# Altium PCB 20211127_mach duoi NCKH.PcbDoc
Units mm, origin at the board's own origin, x right, y up, seen from the top; angles counter-clockwise.
Board outline 92.25 x 125.35 mm, 2 copper layers (Top Layer, Bottom Layer); 113 components, 76 nets, 361 pads, 44 vias.
Unrouted connection lines stored in the file: 1.
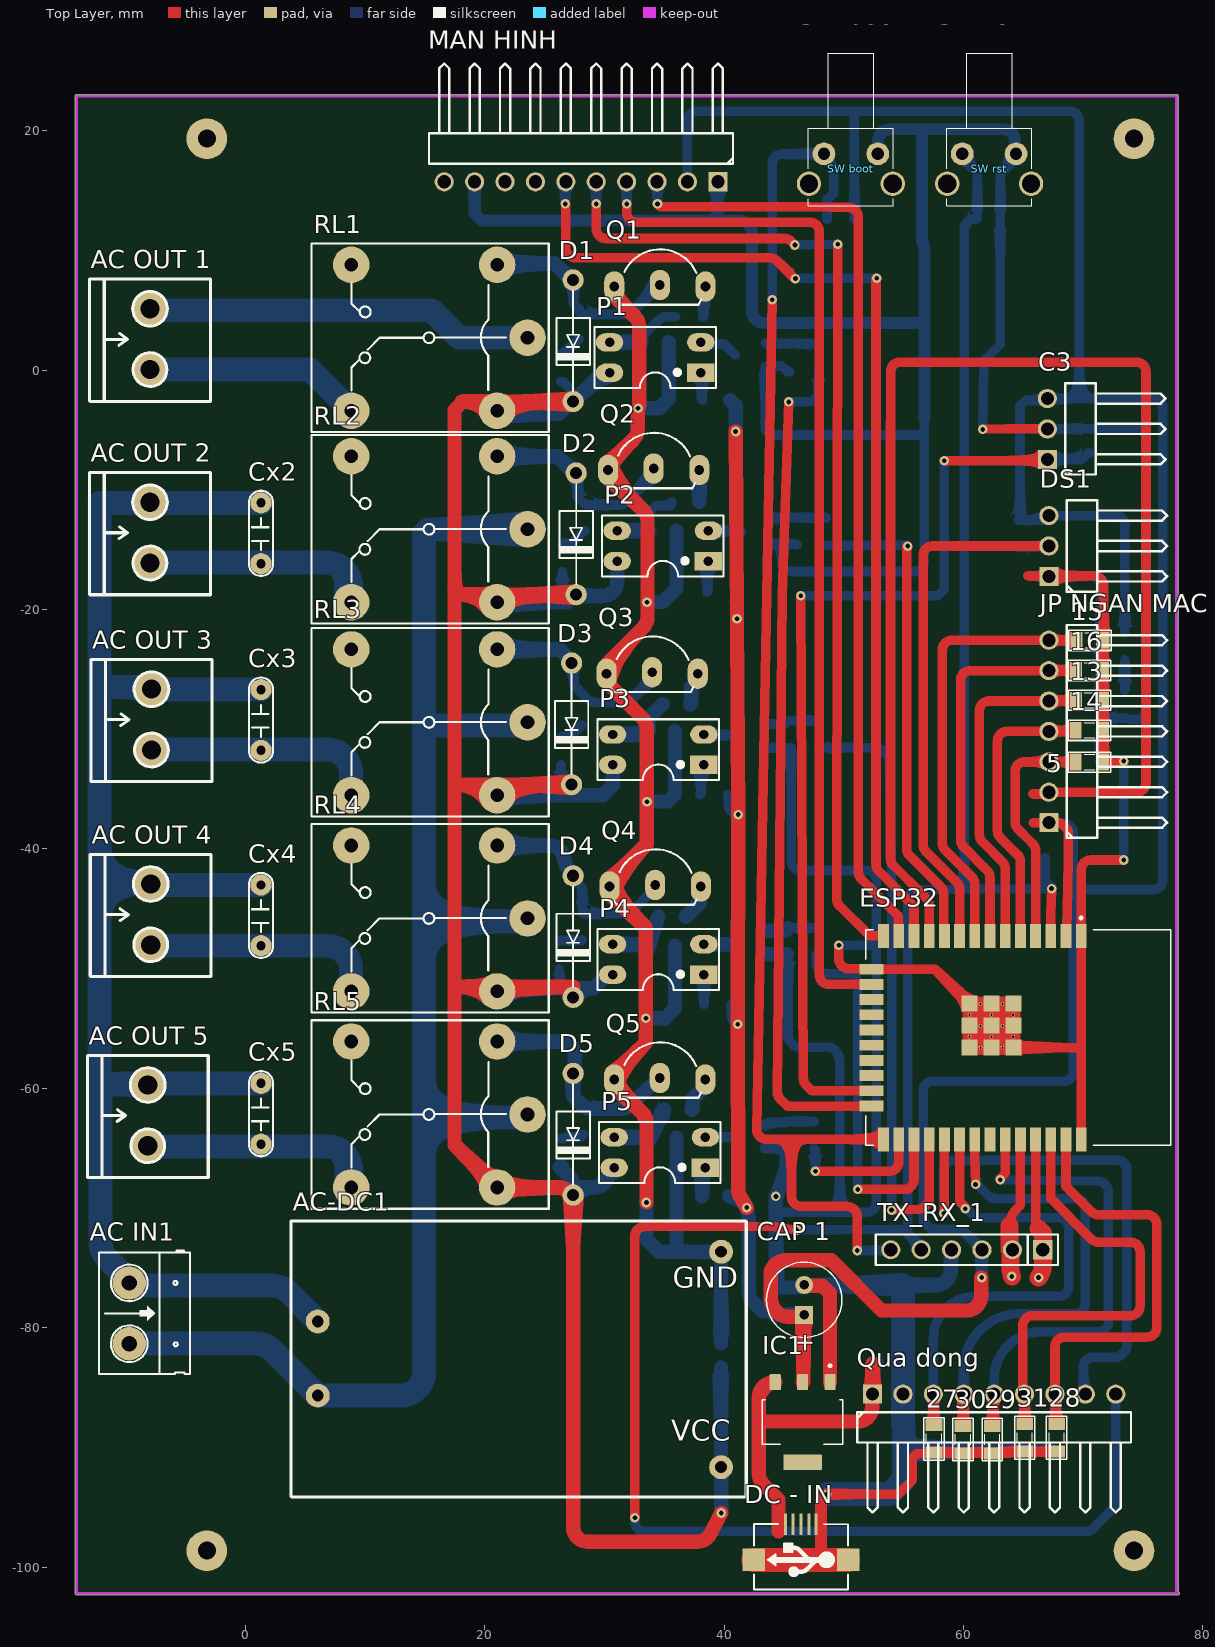
[diagram p0: Top Layer view]
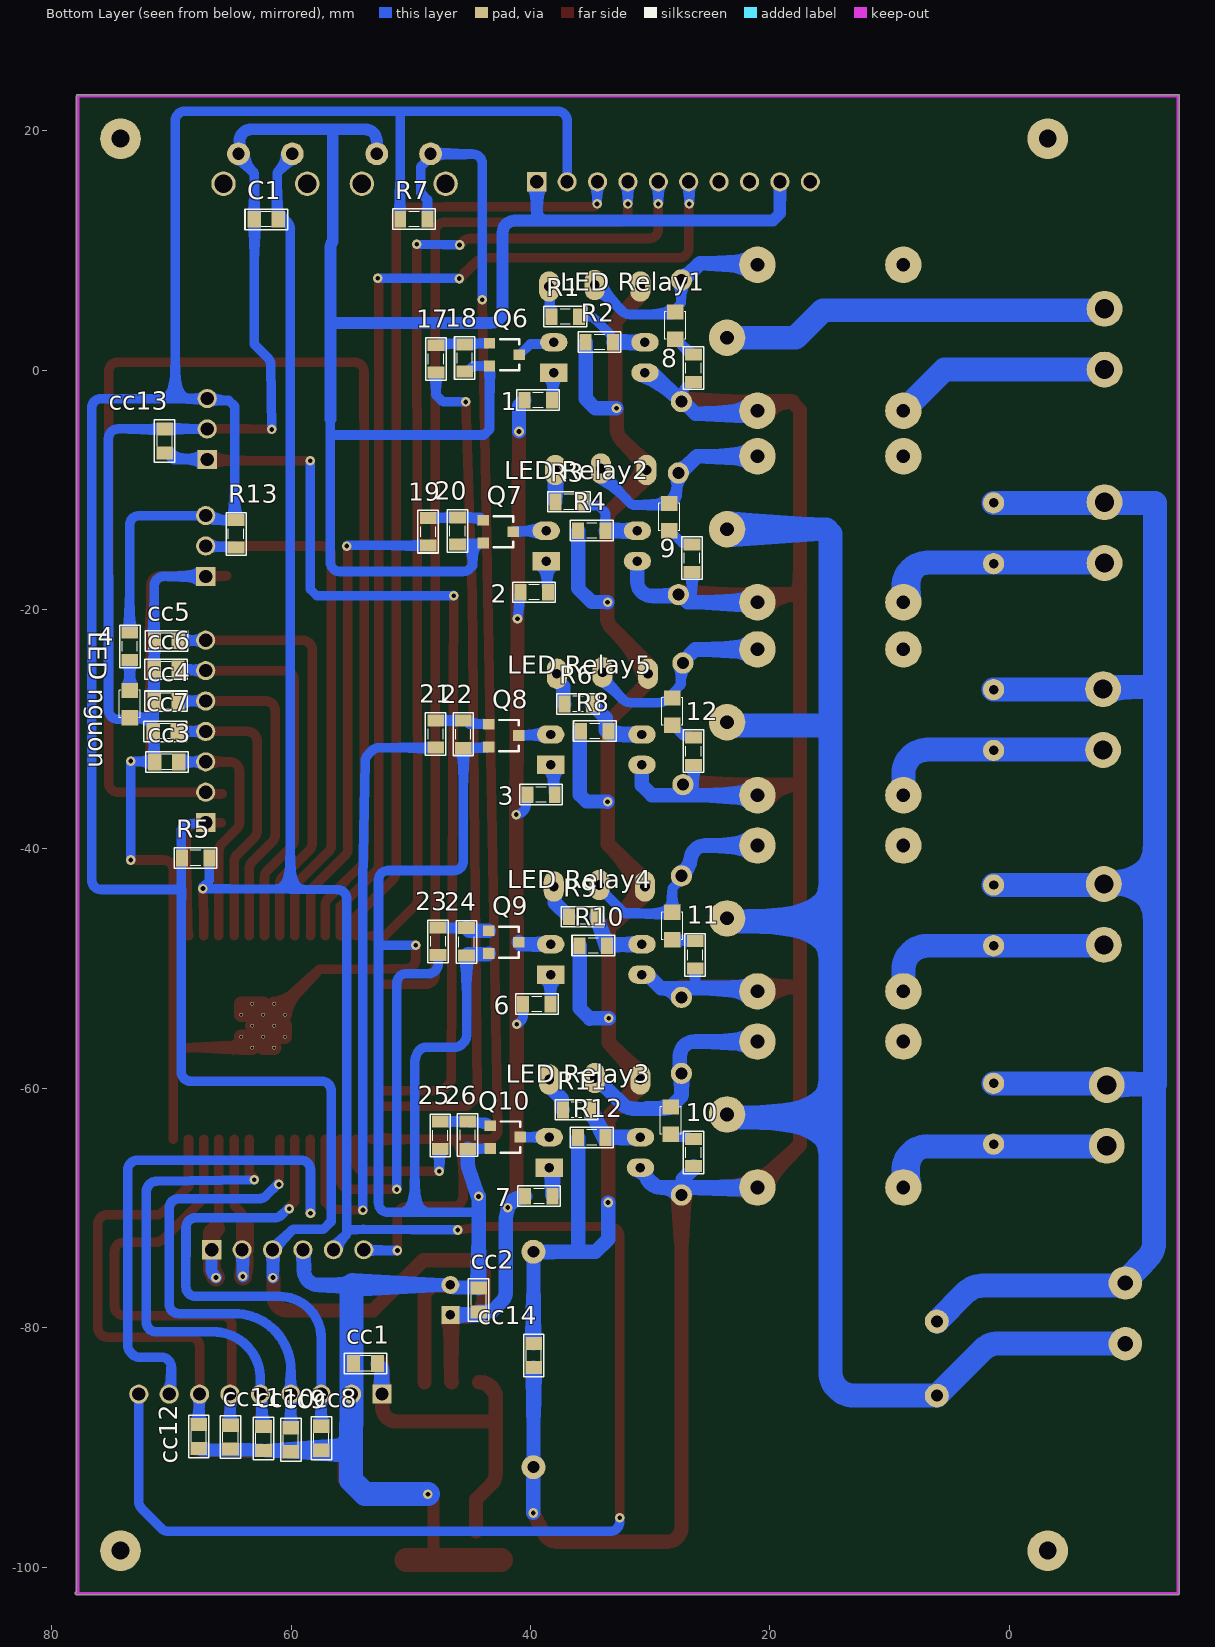
[diagram p1: Bottom Layer view, seen from below]
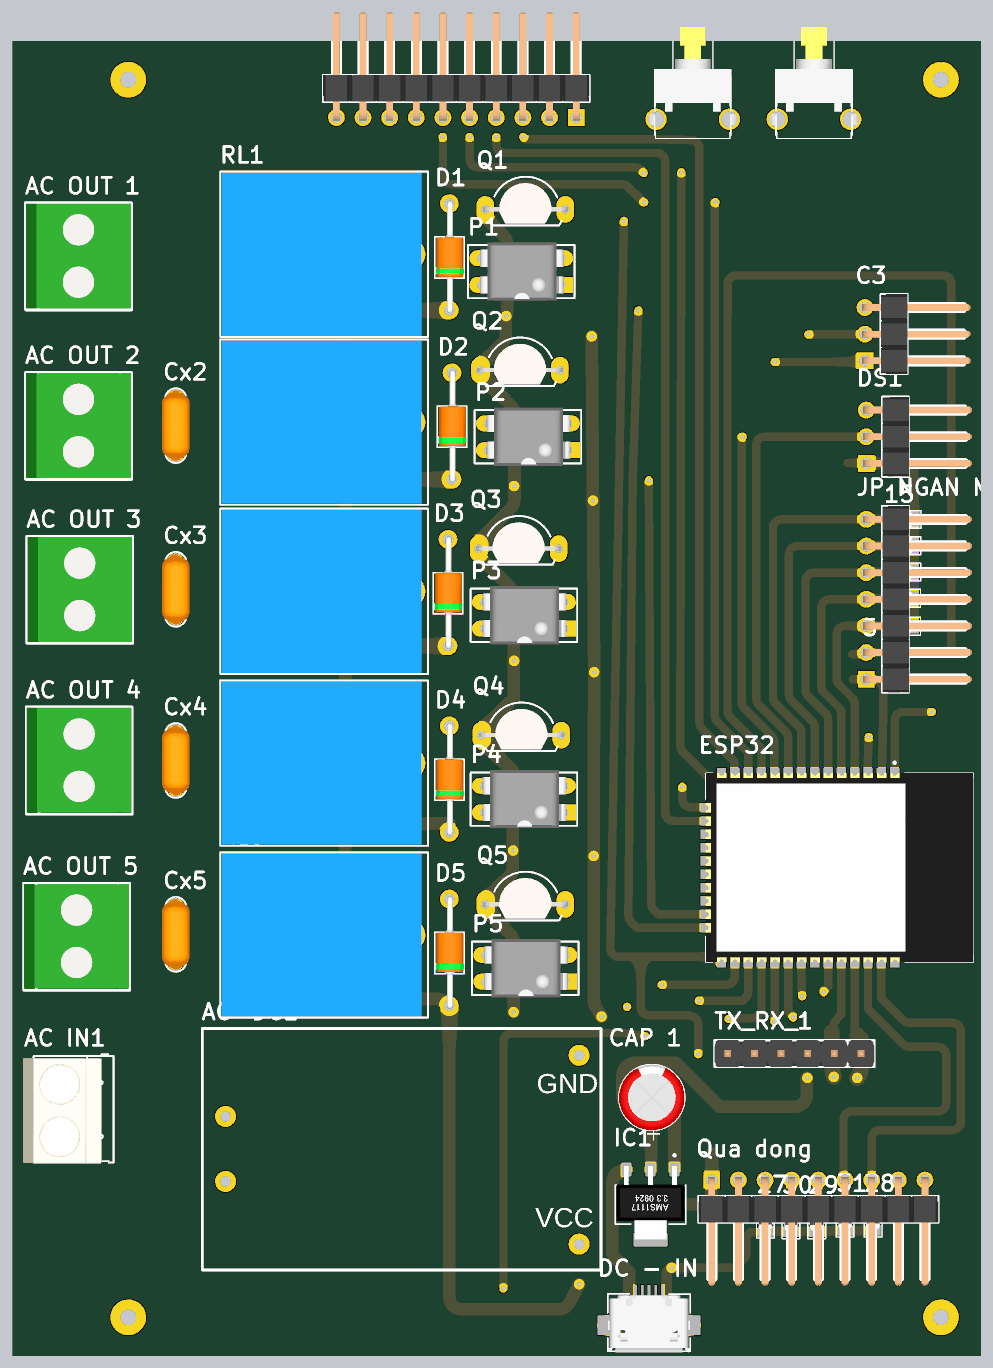
[diagram p2: 3D render of the assembled board from above, using the file's embedded part models]
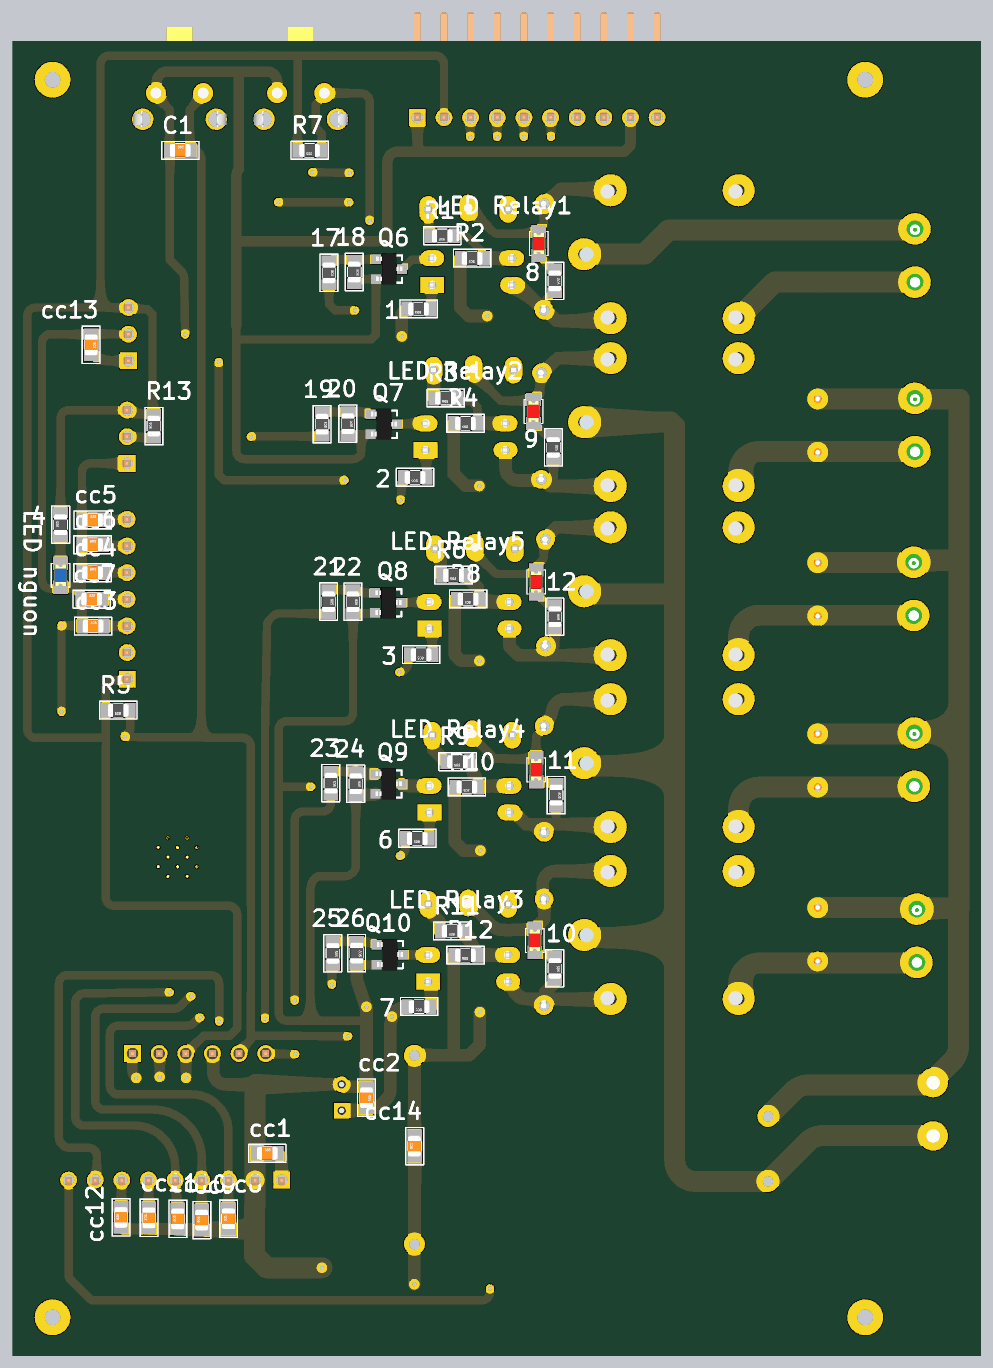
[diagram p3: 3D render of the assembled board from below, using the file's embedded part models]

## Layer stack, top to bottom
Top Solder: solder mask 0.0102, Solder Resist, Dk 3.5
Top Layer: signal copper 0.0356
Dielectric 1: dielectric 0.32, FR-4, Dk 4.8
Bottom Layer: signal copper 0.0356
Bottom Solder: solder mask 0.0102, Solder Resist, Dk 3.5

## Board outline
-14.224,-102.19 ccw(c-14.097,-102.19) -14.097,-102.318 77.903,-102.318 ccw(c77.903,-102.19) 78.03,-102.19 ccw(c77.903,-102.19) 77.924,-102.065 77.924,22.905 ccw(c77.797,22.905) 77.797,23.032 -14.097,23.032 ccw(c-14.097,22.905) -14.224,22.905

## Design rules (kind name [scope] priority, off if disabled: settings)
Clearance [All] p1: gap=0.5 ignorepadtopadclearanceinfootprint=FALSE
PolygonConnect [All] p1: connectstyle=Relief reliefconductorwidth=0.254 reliefentries=4 polygonreliefangle="90 Angle" airgapwidth=0.254
RoutingVias [All] p1: holewidth=0.4 width=0.8 viastyle="Through Hole" minholewidth=0.2 minwidth=0.4 maxholewidth=0.4 maxwidth=0.8
SolderMaskExpansion [All] p1: expansion=0.102 istentingtop=FALSE
Width [All] p1: maxlimit=2 minlimit=0.6 preferedwidth=0.8
30 further rules are at their usual default settings.

## Components (designator, comment, footprint, x,y, rotation, side; value= is the part's Value field where it differs from the comment)
1 "1k" RES-SMD-0805 39.35,-2.512 r0 bottom
2 "1k" RES-SMD-0805 39.687,-18.561 r0 bottom
3 "1k" RES-SMD-0805 39.107,-35.47 r0 bottom
4 "1K" RES-SMD-0805 73.479,-23.069 r90 bottom
5 "10k" RES-SMD-0805 70.517,-32.743 r0 top
6 "1k" RES-SMD-0805 39.463,-52.977 r0 bottom
7 "1k" RES-SMD-0805 39.292,-69.014 r0 bottom
8 "1K" RES-SMD-0805 26.362,0.172 r270 bottom
9 "1K" RES-SMD-0805 26.489,-15.703 r270 bottom
10 "1K" RES-SMD-0805 26.362,-65.36 r270 bottom
11 "1K" RES-SMD-0805 26.235,-48.85 r270 bottom
12 "1K" RES-SMD-0805 26.362,-31.832 r270 bottom
13 "10k" RES-SMD-0805 70.525,-27.568 r0 top
14 "10k" RES-SMD-0805 70.517,-30.075 r0 top
15 "10k" RES-SMD-0805 70.561,-22.555 r0 top
16 "10k" RES-SMD-0805 70.525,-25.062 r0 top
17 "560R" RES-SMD-0805 47.885,0.942 r270 bottom
18 "10k" RES-SMD-0805 45.476,1.019 r270 bottom
19 "560R" RES-SMD-0805 48.54,-13.495 r270 bottom
20 "10k" RES-SMD-0805 46.083,-13.439 r270 bottom
21 "560R" RES-SMD-0805 47.915,-30.398 r270 bottom
22 "10k" RES-SMD-0805 45.6,-30.415 r270 bottom
23 "560R" RES-SMD-0805 47.709,-47.717 r270 bottom
24 "10k" RES-SMD-0805 45.332,-47.763 r270 bottom
25 "560R" RES-SMD-0805 47.521,-63.93 r270 bottom
26 "10k" RES-SMD-0805 45.24,-63.914 r270 bottom
27 "10k" RES-SMD-0805 57.529,-89.291 r270 top
28 "10k" RES-SMD-0805 67.79,-89.197 r270 top
29 "10k" RES-SMD-0805 62.408,-89.354 r270 top
30 "10k" RES-SMD-0805 59.953,-89.354 r270 top
31 "10k" RES-SMD-0805 65.124,-89.196 r270 top
"AC IN1" "POWER" HED2 -9.71,-76.26 r270 top value="Header 2"
"AC OUT 1" "Header2" "con 2 p xanh la" -7.976,5.132 r270 top
"AC OUT 2" "Header2" "con 2 p xanh la" -7.976,-11.03 r270 top
"AC OUT 3" "Header2" "con 2 p xanh la" -7.855,-26.649 r270 top
"AC OUT 4" "Header2" "con 2 p xanh la" -7.916,-42.932 r270 top
"AC OUT 5" "Header2" "con 2 p xanh la" -8.157,-59.72 r270 top
AC-DC1 "Hi_Link 5V" "HI LINK 3.3V5W, 5V5W" 3.821,-94.105 r0 top
C1 "105" CN-SMD-0805 62.065,12.618 r180 bottom value=100pF
C3 "hong ngoai" JP3-D1C 69.542,-1.098 r90 top
"CAP 1" "470uF" CA-ALU-6.3R 46.682,-77.679 r90 top value=104
cc1 "104" CN-SMD-0805 53.773,-82.988 r180 bottom value=33pF
cc2 "104" CN-SMD-0805 44.314,-77.693 r270 bottom value=33pF
cc3 "104" CN-SMD-0805 70.378,-32.73 r180 bottom value=33pF
cc4 "104" CN-SMD-0805 70.431,-27.641 r180 bottom value=33pF
cc5 "104" CN-SMD-0805 70.414,-22.61 r180 bottom value=33pF
cc6 "104" CN-SMD-0805 70.431,-24.974 r180 bottom value=33pF
cc7 "104" CN-SMD-0805 70.509,-30.164 r180 bottom value=33pF
cc8 "104" CN-SMD-0805 57.477,-89.236 r90 bottom value=33pF
cc9 "104" CN-SMD-0805 60.017,-89.363 r90 bottom value=33pF
cc10 "104" CN-SMD-0805 62.303,-89.252 r90 bottom value=33pF
cc11 "104" CN-SMD-0805 65.06,-89.148 r90 bottom value=33pF
cc12 "104" CN-SMD-0805 67.718,-89.098 r90 bottom value=33pF
cc13 "104" CN-SMD-0805 70.557,-5.92 r270 bottom value=33pF
cc14 "104" CN-SMD-0805 39.729,-82.322 r90 bottom value=33pF
Cx2 "XXpF" CN2-O 1.172,-13.626 r90 top value=33pF
Cx3 "XXpF" CN2-O 1.172,-29.231 r90 top value=33pF
Cx4 "XXpF" CN2-O 1.172,-45.551 r90 top value=33pF
Cx5 "XXpF" CN2-O 1.172,-62.122 r90 top value=33pF
D1 "Diode" DIO-1A 27.378,7.538 r270 top value=1N5007
D2 "Diode" DIO-1A 27.632,-8.591 r270 top value=1N5007
D3 "Diode" DIO-1A 27.251,-24.466 r270 top value=1N5007
D4 "Diode" DIO-1A 27.378,-42.246 r270 top value=1N5007
D5 "Diode" DIO-1A 27.378,-58.756 r270 top value=1N5007
"DC - IN" "USB-5" USB-M1 46.417,-96.425 r180 top
DS1 "DS18b20" JP3-D1C 69.669,-10.877 r90 top
ESP32 "ESP32" ESP32 56.063,-85.983 r270 top
IC1 "AMS1117" Ams1117 46.682,-87.585 r270 top
"JP NGAN MACH" "JP7" JP7-D1C 69.669,-21.291 r90 top locked
"LED nguon" "LED" LED-0805-Blue 73.479,-26.752 r270 bottom value="LED 3 - 5 ly 2 Colour"
"LED Relay1" "LED" LED-0805-Red 27.886,2.585 r90 bottom value="LED 3 - 5 ly 2 Colour"
"LED Relay2" "LED" LED-0805-Red 28.394,-13.417 r90 bottom value="LED 3 - 5 ly 2 Colour"
"LED Relay3" "LED" LED-0805-Red 28.267,-63.836 r90 bottom value="LED 3 - 5 ly 2 Colour"
"LED Relay4" "LED" LED-0805-Red 28.14,-47.58 r90 bottom value="LED 3 - 5 ly 2 Colour"
"LED Relay5" "LED" LED-0805-Red 28.14,-29.673 r90 bottom value="LED 3 - 5 ly 2 Colour"
"MAN HINH" "JP10" JP10-D1C 15.339,18.282 r180 top
P1 "PC817" DIP4 38.046,-0.209 r90 top
P2 "PC817" DIP4 38.681,-15.957 r90 top
P3 "PC817" DIP4 38.3,-32.975 r90 top
P4 "PC817" DIP4 38.3,-50.501 r90 top
P5 "PC817" DIP4 38.427,-66.63 r90 top
Q1 "C1815" "TO92-123 - 3" 34.625,7.117 r0 top
Q2 "C1815" "TO92-123 - 3" 34.109,-8.21 r0 top
Q3 "C1815" "TO92-123 - 3" 33.982,-25.228 r0 top
Q4 "C1815" "TO92-123 - 3" 34.236,-43.008 r0 top
Q5 "C1815" "TO92-123 - 3" 34.617,-59.137 r0 top
Q6 "Si2302DS" SOT23-132 42.165,1.296 r270 bottom
Q7 "Si2302DS" SOT23-132 42.674,-13.496 r270 bottom
Q8 "Si2302DS" SOT23-132 42.233,-30.522 r270 bottom
Q9 "Si2302DS" SOT23-132 42.221,-47.787 r270 bottom
Q10 "Si2302DS" SOT23-132 42.097,-64.073 r270 bottom
"Qua dong" "JP9" JP9-D1C 73.987,-88.093 r0 top
R1 "560R" RES-SMD-0805 37.087,4.466 r0 bottom
R2 "10k" RES-SMD-0805 34.236,2.331 r0 bottom
R3 "560R" RES-SMD-0805 36.776,-11.004 r0 bottom
R4 "10k" RES-SMD-0805 34.871,-13.417 r0 bottom
R5 "10K" RES-SMD-0805 67.971,-40.758 r0 bottom
R6 "560R" RES-SMD-0805 36.014,-27.895 r0 bottom
R7 "10K" RES-SMD-0805 49.73,12.618 r0 bottom
R8 "10k" RES-SMD-0805 34.618,-30.167 r0 bottom
R9 "560R" RES-SMD-0805 35.633,-45.675 r0 bottom
R10 "10k" RES-SMD-0805 34.744,-48.088 r0 bottom
R11 "560R" RES-SMD-0805 36.141,-61.804 r0 bottom
R12 "10k" RES-SMD-0805 34.871,-64.116 r0 bottom
R13 "4K7" RES-SMD-0805 64.589,-13.671 r90 bottom
RL1 "Relay 10A/5V" "RELAY 5" 15.313,2.712 r180 top value="Relay SPDT, 10A, 12V"
RL2 "Relay 10A/5V" "RELAY 5" 15.313,-13.29 r180 top value="Relay SPDT, 10A, 12V"
RL3 "Relay 10A/5V" "RELAY 5" 15.313,-29.419 r180 top value="Relay SPDT, 10A, 12V"
RL4 "Relay 10A/5V" "RELAY 5" 15.313,-45.802 r180 top value="Relay SPDT, 10A, 12V"
RL5 "Relay 10A/5V" "RELAY 5" 15.313,-62.185 r180 top value="Relay SPDT, 10A, 12V"
"SW boot" "SW" SW1-DIP 52.833,18.079 r180 top value="SW chip 2 pin"
"SW rst" "SW" SW1-DIP 64.39,18.079 r180 top value="SW chip 2 pin"
TX_RX_1 "JP6" JP6-D1T 66.621,-73.488 r180 top

## Footprints (in the part's own frame and the unit in brackets; to place one, negate y for a bottom-side part, rotate by r counter-clockwise, add the part's x,y. Pads: shape width x height; smd on the part's side, far side on the other; paste and mask are expansions set on the pad)
Ams1117 [mm]
  rrect15% 1.31x0.93 smd: 1(-3.04,2.163) 2(-3.04,-0.127) 3(-3.04,-2.417)
  rrect15% 1.31x3.24 smd: 4(3.65,-0.127)
  silkscreen extent -4.5,-3.49 2.16,3.23, body extent -3.37,-3.38 3.63,3.13, height 1.82
CA-ALU-6.3R [mm] "Polarized capacitors, Aluminum Electrolytic Capacitors, 2-Leads, Body 6.3x15x2.5x0.5"
  rect 1.5x1.5 hole 0.8: 1(-1.25,0)
  round 1.5 hole 0.8: 2(1.25,0)
  silkscreen extent -3.15,-3.15 3.15,3.15, body extent -3.12,-3.13 3.14,3.15, height 15.26
CN2-O [mil]
  round 70 hole 31: 1(-100,-5) 2(100,-5)
  silkscreen extent -140,-45 140,35, body extent -139,-56 139,46, height 360
CN-SMD-0805 [mm]
  rect 1.1x1.397 smd: 1(-1,0) 2(1,0)
  silkscreen extent -1.78,-0.86 1.78,0.84, body extent -1,-0.62 1,0.63, height 0.8
"con 2 p xanh la" [mm] "con"
  round 3 hole 1.6: 1(0,0) 2(5.08,0)
  silkscreen extent -2.48,-5.05 7.73,5.05, body extent -2.41,-5 7.59,5, height 14.55
DIO-1A [mil]
  round 70 hole 40: 1(0,0) 2(400,0)
  silkscreen extent 35,-55 365,55, body extent -11,-50 411,54, height 102
DIP4 [mil]
  rect 60x90 hole 31: 1(0,0)
  oval 60x90 hole 31: 2(100,0) 3(100,300) 4(0,300)
  silkscreen extent -50,-50 150,350, body extent -59,-10 159,305, height 170
ESP32 [mm]
  rect 2x0.9 smd: 1(-38.721,13.769) 2(-38.721,12.499) 3(-38.721,11.229) 4(-38.721,9.959) 5(-38.721,8.689) 6(-38.721,7.419) 7(-38.721,6.149) 8(-38.721,4.879) 9(-38.721,3.609) 10(-38.721,2.339) 11(-38.721,1.069) 12(-38.721,-0.201) 13(-38.721,-1.471) 14(-38.721,-2.741) 25(-21.721,-2.741) 26(-21.721,-1.471) 27(-21.721,-0.201) 28(-21.721,1.069) 29(-21.721,2.339) 30(-21.721,3.609) 31(-21.721,4.879) 32(-21.721,6.149) 33(-21.721,7.419) 34(-21.721,8.689) 35(-21.721,9.959) 36(-21.721,11.229) 37(-21.721,12.499) 38(-21.721,13.769)
  rect 0.9x2 smd: 15(-35.936,-3.741) 16(-34.666,-3.741) 17(-33.396,-3.741) 18(-32.126,-3.741) 19(-30.856,-3.741) 20(-29.586,-3.741) 21(-28.316,-3.741) 22(-27.046,-3.741) 23(-25.776,-3.741) 24(-24.506,-3.741)
  rect 1.33x1.33 smd: 39_1(-33.056,8.104) 39_2(-31.221,8.104) 39_3(-29.386,8.104) 39_4(-33.056,6.269) 39_5(-31.221,6.269) 39_6(-29.386,6.269) 39_7(-33.056,4.434) 39_8(-31.221,4.434) 39_9(-29.386,4.434)
  round 0.3 hole 0.2: 39_10(-32.138,8.104) 39_11(-30.303,8.104) 39_12(-33.056,7.187) 39_13(-31.221,7.187) 39_14(-29.386,7.187) 39_15(-32.138,6.269) 39_16(-30.303,6.269) 39_17(-33.056,5.352) 39_18(-31.221,5.352) 39_19(-29.386,5.352) 39_20(-32.138,4.434) 39_21(-30.303,4.434)
  silkscreen extent -40.32,-4.24 -21.22,21.26, body extent -39.26,-4.24 -21.19,21.3, height 3
HED2 [mil] "Header 2, 2 pin, hight 300mil, Pin to Pin 200, Colour Green"
  round 110 hole 50: 1(0,0) 2(200,0)
  silkscreen extent -106,-100 300,200, body extent -92,-140 302,155, height 394
"HI LINK 3.3V5W, 5V5W" [mm] "Hi-link"
  round 2 hole 1: 1(2.221,14.625) 2(2.221,8.425) 3(35.924,2.449) 4(35.924,20.449)
  silkscreen extent 0,-0.03 38.02,23, body extent 0.02,-0.08 38.05,23.02, height 14
JP3-D1C [mm] "3 pins, 1 row, right angled, gold plating"
  rect 1.6x1.6 hole 1.1: 1(-6.35,2.54)
  round 1.6 hole 1.1: 2(-3.81,2.54) 3(-1.27,2.54)
  silkscreen extent -7.62,-7.34 0,1.04, body extent -7.62,-7.52 0,2.84, height 2.55
JP6-D1T [mm] "6 pins, 1 row, straight, gold plating"
  rect 1.6x1.6 hole 1.1: 1(0,0)
  round 1.6 hole 1.1: 2(2.54,0) 3(5.08,0) 4(7.62,0) 5(10.16,0) 6(12.7,0)
  silkscreen extent -1.27,-1.27 13.97,1.27, body extent -1.27,-1.27 13.97,1.27, height 8.54
JP7-D1C [mm] "7 pins, 1 row, right angled, gold plating"
  rect 1.6x1.6 hole 1.1: 1(-16.51,2.54)
  round 1.6 hole 1.1: 2(-13.97,2.54) 3(-11.43,2.54) 4(-8.89,2.54) 5(-6.35,2.54) 6(-3.81,2.54) 7(-1.27,2.54)
  silkscreen extent -17.78,-7.34 0,1.04, body extent -17.78,-7.52 0,2.84, height 2.55
JP9-D1C [mm] "9 pins, 1 row, right angled, gold plating"
  rect 1.6x1.6 hole 1.1: 1(-21.59,2.54)
  round 1.6 hole 1.1: 2(-19.05,2.54) 3(-16.51,2.54) 4(-13.97,2.54) 5(-11.43,2.54) 6(-8.89,2.54) 7(-6.35,2.54) 8(-3.81,2.54) 9(-1.27,2.54)
  silkscreen extent -22.86,-7.34 0,1.04, body extent -22.86,-7.52 0,2.84, height 2.55
JP10-D1C [mm] "10 pins, 1 row, right angled, gold plating"
  rect 1.6x1.6 hole 1.1: 1(-24.13,2.54)
  round 1.6 hole 1.1: 2(-21.59,2.54) 3(-19.05,2.54) 4(-16.51,2.54) 5(-13.97,2.54) 6(-11.43,2.54) 7(-8.89,2.54) 8(-6.35,2.54) 9(-3.81,2.54) 10(-1.27,2.54)
  silkscreen extent -25.4,-7.34 0,1.04, body extent -25.4,-7.52 0,2.84, height 2.55
LED-0805-Blue [mil]
  rect 50x55 smd: 1(0,0) 2(90,0)
  silkscreen extent 0,-35 90,35, body extent 5,-25 85,25, height 43
LED-0805-Red [mil]
  rect 50x55 smd: 1(0,0) 2(90,0)
  silkscreen extent 0,-35 90,35, body extent 5,-25 85,25, height 43
"RELAY 5" [mil] "Reley DPDT, 8 pin, 1A, W400mil, L800mil,H 300mil"
  round 120 hole 45: 1(-325,0) 2(255,240) 3(255,-240) 4(-225,-240) 5(-225,240)
  silkscreen extent -395,-310 385,310, body extent -371,-304 381,306, height 602
RES-SMD-0805 [mil]
  rect 39.37x55 smd: 1(-45,0) 2(45,0)
  silkscreen extent -70,-34 70,33, body extent -39,-25 39,25, height 31
SOT23-132 [mm]
  rect 0.9x0.95 smd: 1(-0.95,-1.25) 3(0,1.25)
  rect 0.9x0.95 smd mask+0: 2(0.95,-1.25)
  silkscreen extent -1.3,-0.38 1.3,1.25, body extent -1.52,-1.23 1.48,1.27, height 1.06
SW1-DIP [mil]
  round 75 hole 40: 1(0,0) 2(177.16,0)
  round 80 hole 60: ""(-49.21,98.43) ""(226.38,98.43)
  silkscreen extent -51,-331 228,171, body extent -87,-398 265,160, height 283
"TO92-123 - 3" [mil] "TO-92"
  oval 66x100 hole 32: 1(-150,-5) 2(0,0) 3(150,-5)
  silkscreen extent -134,-65 136,118, body extent -159,-58 159,94, height 395
USB-M1 [mil]
  rect 10x70 smd: 1(51.18,0) 2(25.59,0) 3(0,0) 4(-25.59,0) 5(-50,0)
  rect 74.8x74.8 smd: 5(-155.51,116.84) 5(155.51,116.84)
  silkscreen extent -155,-1 155,215, body extent -157,5 158,218, height 107

## Part data
1 2 3 4 5 6 7 8 9 10 11 12 13 14 15 16 17 18 19 20 21 22 23 24 25 26 27 28 29 30 31 R1 R2 R3 R4 R5 R6 R7 R8 R9 R10 R11 R12 R13: library part Res, "Res", Manufacturer="Generic Components", Class=Passive, Published=08/06/2000, Publisher="Altium Hobart Technology Centre", SubClass=R
"AC IN1": library part "Header 2_1", "Header, 2-Pin", Manufacturer="Generic Components", Class=Connector
"AC OUT 1" "AC OUT 2" "AC OUT 3" "AC OUT 4" "AC OUT 5": library part "Con 2P", "Header IDC, 2 x 1 Pin Vertical 2.54mm Pitch (Non-Boxed, Male)", Manufacturer="W¨¹rth Elektronik eiSos GmbH", partNo=613002143121, ComponentLink1 Description=Manufacturer, ComponentLink1URL=http://www.we-online.com, ComponentLink2 Description=Datasheet, ComponentLink2URL=http://katalog.we-online.de/em/datasheet/6130xx143121.pdf, Created by="Karrer Zheng", Created Date="29 March 2013", NoPins=02
C1: library part CN1, "Cap np  1pF - 472pF"
C3 DS1: library part JP3, "WR-PHD 2.54 mm Angled Socket Header", Manufacturer="W¨¹rth Elektronik eiSos GmbH", partNo=613003143121, ComponentLink1 Description=Manufacturer, ComponentLink1URL=http://www.we-online.com, ComponentLink2 Description=Datasheet, ComponentLink2URL=http://katalog.we-online.de/em/datasheet/6130xx143121.pdf, Created by="Karrer Zheng", Created Date="29 March 2013", NoPins=03
"CAP 1": library part CN-ALU-DIP, "Capacitor (Semiconductor SIM Model)", LatestRevisionDate=17-Jul-2002, LatestRevisionNote="Re-released for DXP Platform.", PackageReference=C1206, Publisher="Altium Limited"
cc1 cc2 cc3 cc4 cc5 cc6 cc7 cc8 cc9 cc10 cc11 cc12 cc13 cc14 Cx2 Cx3 Cx4 Cx5: library part CN
D1 D2 D3 D4 D5: "Default Diode", Code - JEDEC=DO-214-AB, Published=8-Jun-2000, Publisher="Altium Limited", Revision="July-2002: Re-released for DXP Platform."
"DC - IN": Manufacturer=FCI, Manufacturer Part Number=10118193-0001LF, Supplier Part Number 1=609-4616-1-ND, .Checked PCB=RF, .Checked SCH=MM, .Creator=MM, Category="Connectors, Interconnects", ComponentLink1Description=http://portal.fciconnect.com/Comergent//fci/drawing/10118193.pdf, ComponentLink1URL=http://portal.fciconnect.com/Comergent//fci/drawing/10118193.pdf, Connector Type="USB - micro B", Features="Shielded, Solder Retention", Gender=Receptacle, Ingress Protection=-, Mounting Type="Surface Mount, Right Angle, Horizontal", Number of Contacts=5, Packaging="Cut Tape (CT)", Pricing 1="1=0.46, 10=0.433, 25=0.3712, 50=0.3156, 100=0.3032, 250=0.27224, 500=0.25988 (USD)", RoHS="RoHS Compliant", Specifications="USB 2.0", Stock 1=28642, Supplier 1=Digi-Key
IC1: library part Ams1117
"JP NGAN MACH": "WR-PHD 2.54 mm Angled Socket Header", Manufacturer="W¨¹rth Elektronik eiSos GmbH", partNo=613007143121, ComponentLink1 Description=Manufacturer, ComponentLink1URL=http://www.we-online.com, ComponentLink2 Description=Datasheet, ComponentLink2URL=http://katalog.we-online.de/em/datasheet/6130xx143121.pdf, Created by="Karrer Zheng", Created Date="29 March 2013", NoPins=07
"LED nguon" "LED Relay1" "LED Relay2" "LED Relay3" "LED Relay4" "LED Relay5": library part "LED SMD"
"MAN HINH": "WR-PHD 2.54 mm Angled Socket Header", Manufacturer="W¨¹rth Elektronik eiSos GmbH", partNo=613010143121, ComponentLink1 Description=Manufacturer, ComponentLink1URL=http://www.we-online.com, ComponentLink2 Description=Datasheet, ComponentLink2URL=http://katalog.we-online.de/em/datasheet/6130xx143121.pdf, Created by="Karrer Zheng", Created Date="29 March 2013", NoPins=10
P1 P2 P3 P4 P5: "Single Opto"
Q1 Q2 Q3 Q4 Q5: "NPN 600mW, ECB"
Q6 Q7 Q8 Q9 Q10: "N-Channel MOSFET", LatestRevisionDate=17-Jul-2002, LatestRevisionNote="Re-released for DXP Platform.", PackageDescription="TO, Flat Index; 3 In-Line, Axial Leads; Body Dia. 4.6mm; Lead Dia. 0.5 mm (max)", PackageReference=E3, PackageVersion=1995/1996, Published=8-Jun-2000, Publisher="Altium Limited"
"Qua dong": "WR-PHD 2.54 mm Angled Socket Header", Manufacturer="W¨¹rth Elektronik eiSos GmbH", partNo=613009143121, ComponentLink1 Description=Manufacturer, ComponentLink1URL=http://www.we-online.com, ComponentLink2 Description=Datasheet, ComponentLink2URL=http://katalog.we-online.de/em/datasheet/6130xx143121.pdf, Created by="Karrer Zheng", Created Date="29 March 2013", NoPins=09
RL1 RL2 RL3 RL4 RL5: library part "Relay 5", "Relay SPDT,10A - 12VDC 5 Pin"
"SW boot" "SW rst": library part SW2, "Switch button 2 pin"
TX_RX_1: "WR-PHD 2.54 mm Angled Socket Header", Manufacturer="W¨¹rth Elektronik eiSos GmbH", partNo=613006143121, ComponentLink1 Description=Manufacturer, ComponentLink1URL=http://www.we-online.com, ComponentLink2 Description=Datasheet, ComponentLink2URL=http://katalog.we-online.de/em/datasheet/6130xx143121.pdf, Created by="Karrer Zheng", Created Date="29 March 2013", NoPins=06

## Free pads (board coordinates)
  round 3.4 hole 1.5: 2(-3.229,-98.634) 2(-3.229,19.349) 2(74.241,-98.634) 2(74.241,19.349)

## Via types
v1: diameter 0.8, hole 0.4, Top Layer to Bottom Layer, 44 vias
